# Altium PCB waffling80-NMB.PcbDoc (part 3 of 3) (continued)
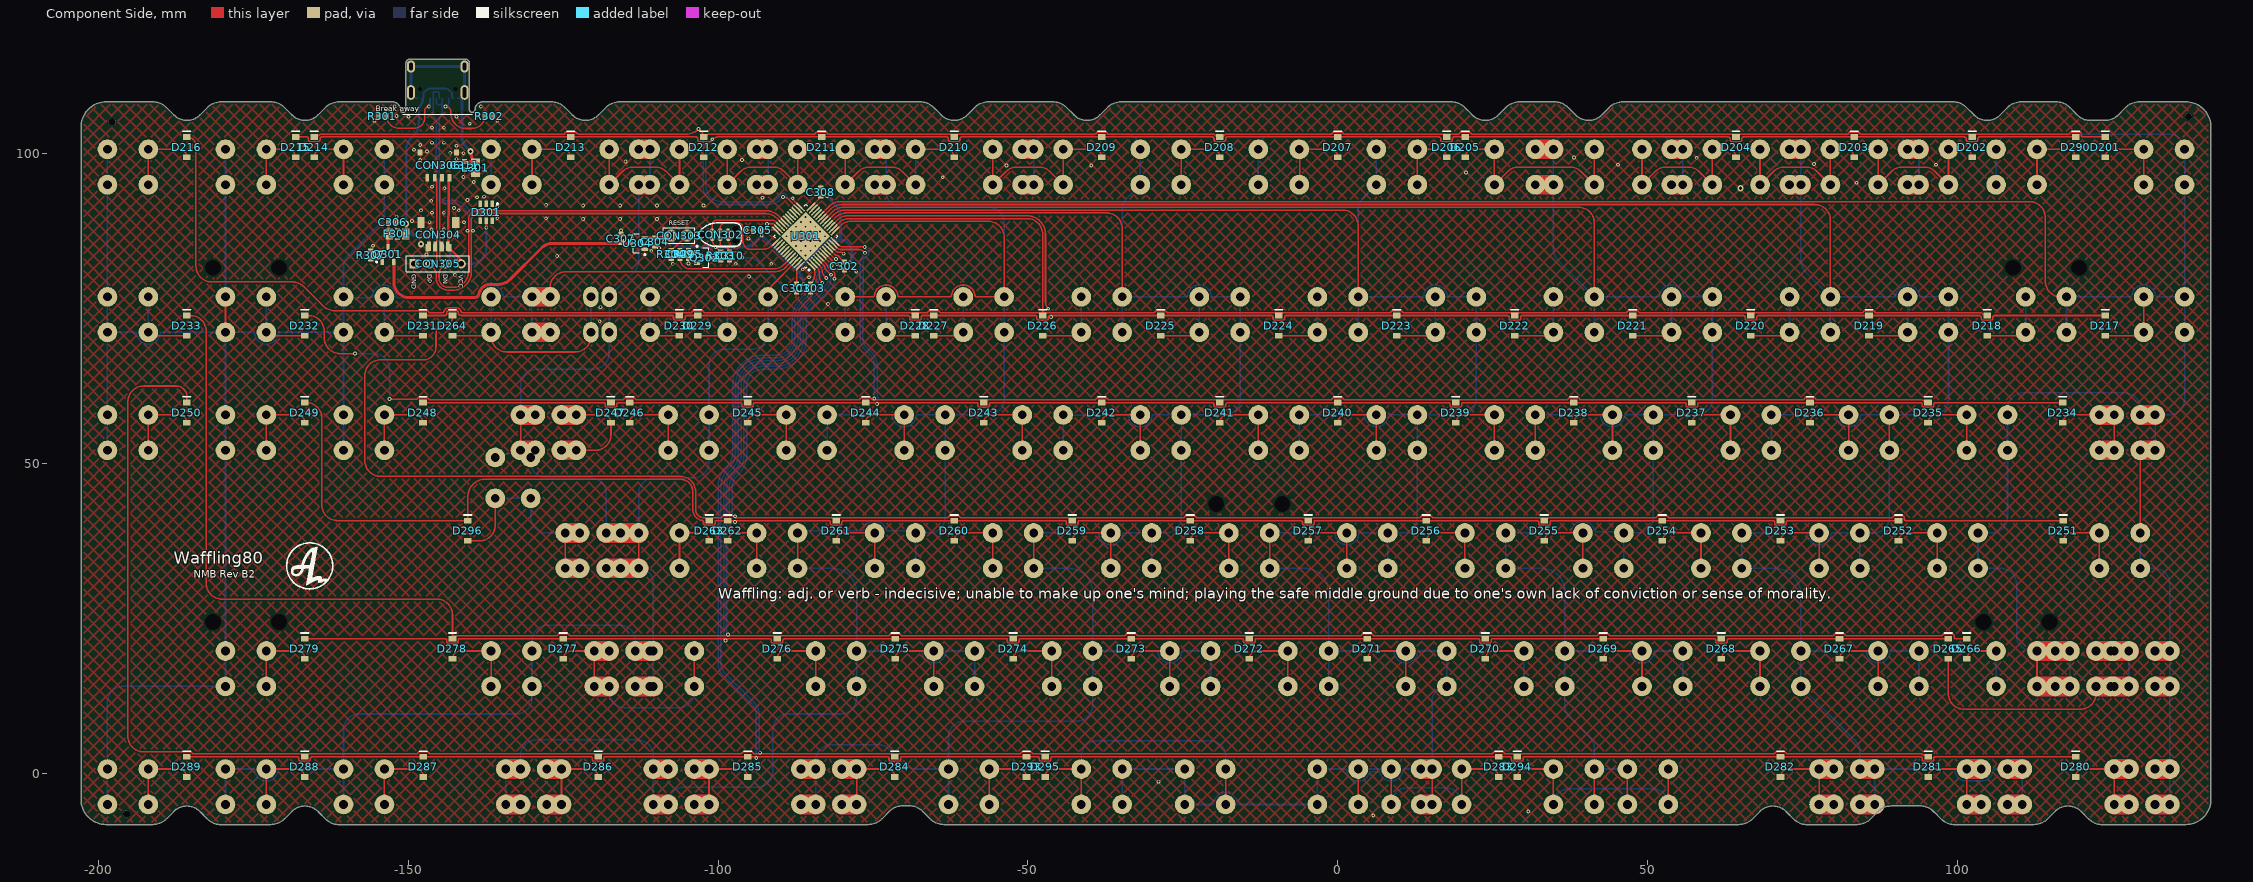
[diagram p0: Component Side view]
## Nets (pads, with @x,y where several pads share a name; then routed paths per layer and width w, separated by ;. In a path a pad name is that pad's centre, name@x,y a point inside that pad or via, vN(x,y) a via of type N, cw(c..) or ccw(c..) an arc to the next point about the centre after c; other vN are vias at no path point) (continued)
  Bottom Layer w0.254: v1(-97.297,41.443) cw(c-97.297,42.343) -97.566,41.484 cw(c-97.489,41.726) -97.743,41.725 -97.743,46.112 cw(c-95.203,46.112) -96.999,47.908 cw(c-95.203,46.112) -96.99,47.917 -96.843,48.064 -96.808,48.099 ccw(c-100.203,51.506) -96.803,48.104 ccw(c-100.203,51.506) -96.8,48.107 ccw(c-100.203,51.506) -96.104,48.989 cw(c-95.887,48.857) -96.096,49.001 ccw(c-99.295,51.236) -95.393,51.179 ccw(c-97.933,51.225) -95.393,51.225 -95.393,62.627 cw(c-92.853,62.627) -92.853,65.167 -90.624,65.167 ccw(c-90.624,69.977) -85.814,69.977 -85.814,73.154 cw(c-83.274,73.154) -85.07,74.95 cw(c-83.274,73.154) -85.068,74.952 -81.577,78.443 ccw(c-82.405,79.271) -81.234,79.271 v1(-81.234,79.756)
PF1: D280.2 D282.2 D283.2 D285.2 D287.2 D289.2 D293.2 U301.6 | length 405.4
  Component Side w0.254: D289.2@-185.795,2.635 -167.936,2.635 cw(c-167.936,2.381) -167.682,2.381 -167.682,2.18 ccw(c-167.355,2.18) -167.355,1.853 -166.135,1.853 ccw(c-166.135,2.18) -165.808,2.18 -165.808,2.324 cw(c-165.554,2.324) -165.734,2.503 -165.676,2.561 cw(c-165.497,2.381) -165.497,2.635 D287.2@-147.568,2.635 -120.565,2.635 cw(c-120.565,2.381) -120.311,2.381 -120.311,2.18 ccw(c-119.984,2.18) -119.984,1.853 -118.764,1.853 ccw(c-118.764,2.18) -118.437,2.18 -118.437,2.381 cw(c-118.183,2.381) -118.183,2.635 D285.2@-95.244,2.635 -72.686,2.635 cw(c-72.686,2.381) -72.432,2.381 -72.432,2.18 ccw(c-72.105,2.18) -72.105,1.853 -70.885,1.853 ccw(c-70.885,2.18) -70.565,2.114 ccw(c-70.885,2.18) -70.558,2.18 -70.558,2.381 cw(c-70.304,2.381) -70.304,2.635 D293.2@-50.24,2.635 -48.431,2.635 cw(c-48.431,2.381) -48.177,2.381 -48.177,2.18 ccw(c-47.85,2.18) -47.85,1.853 -46.63,1.853 ccw(c-46.63,2.18) -46.305,2.153 ccw(c-46.63,2.18) -46.303,2.18 -46.303,2.381 cw(c-46.049,2.381) -46.049,2.635 D283.2@25.956,2.635 27.765,2.635 cw(c27.765,2.381) 28.019,2.381 28.019,2.18 ccw(c28.346,2.18) 28.346,1.853 29.566,1.853 ccw(c29.566,2.18) 29.893,2.18 29.893,2.381 cw(c30.147,2.381) 30.147,2.635 D282.2@71.437,2.635 94.059,2.635 cw(c94.059,2.381) 94.313,2.381 94.313,2.18 ccw(c94.64,2.18) 94.64,1.853 95.86,1.853 ccw(c95.86,2.18) 96.187,2.18 96.187,2.381 cw(c96.441,2.381) 96.441,2.635 D280.2@119.062,2.635 ; U301.6@-83.067,83.446 v1@-81.754,82.134
  Bottom Layer w0.254: v1(-93.853,2.414) -93.853,9.362 ccw(c-96.393,9.362) -94.597,11.158 -94.869,11.43 -97.277,13.838 -99.269,15.83 cw(c-97.473,17.626) -100.013,17.626 -100.013,46.112 cw(c-95.203,46.112) -98.601,49.516 -98.407,49.71 ccw(c-100.203,51.506) -98.405,49.712 ccw(c-100.203,51.506) -97.663,51.506 -97.663,62.627 cw(c-92.853,62.627) -94.941,66.96 cw(c-92.853,62.627) -94.257,67.228 cw(c-92.853,62.627) -93.363,67.41 ccw(c-93.391,67.662) -93.361,67.41 cw(c-92.936,64.062) -92.936,67.437 -90.624,67.437 ccw(c-90.624,69.977) -88.084,69.977 -88.084,73.289 cw(c-85.544,73.289) -88.059,73.644 ccw(c-88.311,73.679) -88.058,73.651 cw(c-83.274,73.154) -86.671,76.559 -84.968,78.262 -84.392,78.838 ccw(c-84.672,79.121) -84.274,79.121 -84.274,79.297 cw(c-82.422,79.297) -84.262,79.511 cw(c-82.422,79.297) -84.041,80.197 ; -84.262,79.512 cw(c-82.422,79.297) -83.733,80.606 cw(c-82.422,79.297) -83.731,80.607 -83.504,80.834 cw(c-83.182,80.515) -83.483,80.854 cw(c-81.498,78.613) -82.718,81.347 cw(c-81.498,78.613) -82.153,81.534 ccw(c-82.21,81.782) -82.031,81.601 -81.813,81.82 cw(c-81.634,81.64) v1(-81.688,81.888)
RAW: CON301.A4B9 CON301.B4A9 CON304.1 CON305.1 CON306.1 D301.5 F301.2 | length 66.1
  Component Side w0.4: F301.2@-150.415,86.995 -150.368,87.042 v3(-150.368,88.646) ; CON306.1@-143.361,96.05 -143.445,95.65 -143.445,94.361 cw(c-144.145,94.361) -143.445,94.352 -143.561,85.554 CON304.1@-143.661,84.979 -141.92,83.238 cw(c-142.99,82.168) CON305.1@-141.477,82.168 ; D301.5@-137.439,89.112 -137.439,88.036 ccw(c-137.414,88.036) v1(-137.414,88.011)
  Bottom Layer w0.254: -148.336,106.299 -148.336,107.11
  Bottom Layer w0.305: CON301.A4B9@-147.707,108.92 -147.559,109.068 -147.559,109.741 -147.204,110.097 ; -147.203,110.097 cw(c-146.346,109.239) -146.346,110.452 -144.167,110.452 cw(c-144.167,109.239) -143.31,110.097 -142.954,109.741 -142.954,109.068 CON301.B4A9@-142.807,108.92
  Bottom Layer w0.4: -148.336,106.299 -148.336,104.684 cw(c-150.876,104.684) -149.08,102.888 -149.624,102.344 ccw(c-147.828,100.548) -150.368,100.548 v3(-150.368,88.646) ccw(c-148.209,88.646) -148.209,86.487 -146.848,86.487 cw(c-146.848,83.947) -145.052,85.743 CON305.1@-141.477,82.168 -139.954,82.168 ccw(c-139.954,84.708) -137.414,84.708 v1(-137.414,88.011) ; -148.336,107.11 cw(c-147.535,107.11) -148.102,107.676 -148.082,107.696 ccw(c-148.988,108.602) -147.707,108.602 CON301.A4B9@-147.707,108.92
SHIELD: C311.2 CON301.A1B12 CON301.B1A12 CON301.S1 L301.2 | length 34.1
  Component Side w0.5: CON301.S1@-141.351,109.421 cw(c-140.937,109.421) CON301.S1@-140.937,109.835 ; C311.2@-140.926,98.694 -139.46,98.694 cw(c-139.46,98.315) L301.2@-139.192,98.583 -139.257,98.648 cw(c-137.576,100.33) v3(-139.954,100.33)
  Bottom Layer w0.254: CON301.S1@-149.577,109.835 ccw(c-148.662,109.835) -148.662,108.92 CON301.A1B12@-148.507,108.92 ; CON301.B1A12@-142.007,108.92 -141.852,108.92 ccw(c-141.852,109.835) CON301.S1@-140.937,109.835 ; -141.351,106.299 -141.351,107.061
  Bottom Layer w0.5: CON301.S1@-149.577,109.835 CON301.S1@-149.577,114.015 CON301.S1@-140.937,114.015 CON301.S1@-140.937,109.835 ; -141.351,106.299 -141.351,102.779 ccw(c-138.811,102.779) -140.607,100.983 v3(-139.954,100.33) ; -141.351,107.061 CON301.S1@-141.351,109.421
SWCLK: CON302.4 U301.37 | length 13.5
  Component Side w0.254: CON302.4@-99.695,87.503 -99.695,87.898 cw(c-98.814,87.898) -98.814,88.779 -96.808,88.779 cw(c-96.808,87.983) -96.047,88.217 cw(c-96.808,87.983) -96.012,87.983 -96.012,85.801 ccw(c-94.721,85.801) -94.721,84.51 -92.92,84.51 ccw(c-92.92,87.05) -91.124,85.254 U301.37@-90.81,85.568
SWDIO: CON302.2 U301.34 | length 12.6
  Component Side w0.254: CON302.2@-100.965,87.503 -100.965,88.423 cw(c-100.155,88.423) -100.155,89.233 -91.353,89.233 cw(c-91.353,88.321) -90.708,88.966 U301.34@-90.103,88.361
VCC: C307.2 Q301.2 U304.3 | length 46.4
  Component Side w0.5: Q301.2@-152.339,82.493 -152.339,79.248 ccw(c-149.799,79.248) -149.799,76.708 -139.494,76.708 ccw(c-139.494,78.187) -138.979,76.8 ccw(c-139.155,77.269) -138.662,77.184 cw(c-136.651,76.84) -138.085,78.291 -137.993,78.382 cw(c-137.641,78.028) -137.925,78.439 -137.813,78.517 cw(c-136.651,76.84) -136.963,78.856 cw(c-136.651,76.84) -136.37,78.86 ccw(c-136.302,79.356) -136.304,78.856 -135.429,78.856 ccw(c-135.429,81.396) -133.633,79.6 -128.506,84.727 cw(c-126.71,82.931) -126.71,85.471 U304.3@-114.241,85.471
VCC3V3: C301.2 C302.2 C303.2 C304.2 C305.2 C308.2 CON302.1 CON303.2 R303.1 U301.1 U301.9 U301.24 U301.36 U301.48 U304.2 | length 74.5
  Component Side w0.254: CON302.1@-100.965,86.233 ccw(c-99.101,86.233) -100.961,86.111 ccw(c-99.101,86.233) -100.419,84.915 v1(-100.408,84.905) -99.593,84.089 R303.1@-99.568,84.089 ; v1(-92.964,86.741) -92.964,87.57 ccw(c-93,87.57) C305.2@-93,87.606 cw(c-92.952,87.606) -92.952,87.654 U301.36@-90.81,87.654 ; U301.48@-86.921,81.679 -87.328,81.272 -87.328,78.93 C301.2@-87.376,78.882 v1(-86.233,78.882) C303.2@-85.09,78.882 ccw(c-86.687,80.479) C303.2@-85.09,78.882 ccw(c-86.687,80.479) -84.428,80.479 -84.428,81.272 U301.1@-84.835,81.679 ; U301.24@-84.835,91.543 -83.737,92.641 -83.737,92.803 -83.639,92.901 cw(c-83.449,92.901) -83.449,93.091 v1(-82.423,93.091) ; U301.9@-82.007,84.507 -81.294,83.795 -81.148,83.648 ; -81.147,83.648 ccw(c-80.969,83.828) -80.973,83.574 cw(c-80.975,82.947) -80.424,83.247 ccw(c-80.201,83.369) -80.381,83.19 -79.927,82.736 -79.918,82.727 -79.918,82.711 C302.2@-79.629,82.438 -79.629,82.423 v1(-78.74,82.423)
  Component Side w0.5: U304.2@-111.841,86.421 -108.16,86.421 -107.84,86.741 CON303.2@-107.569,86.741
  Bottom Layer w0.5: CON303.2@-107.569,86.741 ccw(c-105.733,86.741) -105.733,84.905 v1(-100.408,84.905) -95.846,84.905 ccw(c-95.846,87.429) -94.061,85.644 ; -94.061,85.644 v1(-92.964,86.741) -87.328,81.105 ; -86.846,81.851 ccw(c-86.36,81.28) -86.923,81.775 ; v1(-86.233,78.882) -86.233,78.958 ccw(c-88.773,78.958) -86.977,80.754 -87.328,81.105 ; v1(-82.423,93.091) -81.004,91.672 cw(c-82.8,89.876) -80.26,89.876 -80.26,85.983 ; v1(-78.74,82.423) ccw(c-79.439,83.122) -78.45,83.122 -78.45,84.173 ccw(c-80.26,84.173) -80.26,85.983 ; -87.328,81.105 cw(c-86.688,81.105) -87.14,81.557 -86.942,81.755 ccw(c-87.297,82.107) -86.923,81.775 ; -86.923,81.775 cw(c-86.36,81.28) -86.528,82.011 cw(c-86.36,81.28) -86.491,82.018 ccw(c-86.581,82.51) -86.229,82.155 -85.726,82.659 -85.407,82.916 ccw(c-85.878,83.499) -85.348,82.969 -85.196,83.121 -82.884,85.433 cw(c-81.556,84.105) -81.556,85.983 -80.26,85.983
pads on no net: CON301. CON301.A8 CON301.B8 CON302.0 CON302.6 D301.1 D301.6 S201. S202. S202_1. S203. S203_1. S204. S204_1. S205. S205_1. S206. S207. S208. S209. S209_1. S210. S210_1. S211. S211_1. S212. S212_1. S213. S214. S215. S216. S217. S218. S219. S220. S221. S222. S223. S224. S225. S226. S227. S228. S229. S230. S231. S232. S233. S234. S234_1. S235. S236. S237. S238. S239. S240. S241. S242. S243. S244. S245. S246. S247. S247_1. S248. S249. S250. S251. S252. S253. S254. S255. S256. S257. S258. S259. S260. S261. S262. S263. S264. S264_1. S265. S265_1. S265_2. S265_3. S266. S267. S268. S269. S270. S271. S272. S273. S274. S275. S276. S277. S277_1. S277_2. S278. S279. S280. S280_1. S281. S281_1. S282. S282_1. S283. S283_1. S283_2. S284. S284_1. S285. S285_1. S286. S286_1. S287. S288. S289. S290. S293. S294. S294_2. S295. S295_2. S296. S296_1. S296_2.

## Polygon pours and split planes (outlines as drawn)
GND on Bottom Layer "Bottom Layer-No Net" (hatched 45Degree grid 1.397 track 0.203, remove dead copper, pour order 0): -202.964,-4.975 ccw(c-198.964,-4.975) -198.964,-8.975 -72.275,-8.975 -72.275,-8.969 -32.406,-8.975 86.078,-8.975 137.036,-8.975 137.036,-8.974 ccw(c137.037,-4.975) 141.036,-4.974 141.036,104.42 ccw(c137.036,104.508) 136.947,108.509 124.647,108.51 37.261,108.509 37.261,108.51 -198.964,108.51 -198.964,108.509 ccw(c-198.964,104.51) -202.964,104.509
GND on Component Side "Component Side-No Net" (hatched 45Degree grid 1.397 track 0.203, remove dead copper, pour order 1): -202.964,-4.975 ccw(c-198.964,-4.975) -198.964,-8.975 -72.275,-8.975 -72.275,-8.969 -32.406,-8.975 86.078,-8.975 137.036,-8.975 137.036,-8.974 ccw(c137.037,-4.975) 141.036,-4.974 141.036,104.42 ccw(c137.036,104.508) 136.947,108.509 124.647,108.51 37.261,108.509 37.261,108.51 -198.964,108.51 -198.964,108.509 ccw(c-198.964,104.51) -202.964,104.509

## Other copper
Component Side:
  pour cut-out: -150.795,106.598 ccw(c-150.795,107.056) -150.337,107.056 -150.337,114.552 cw(c-149.727,114.552) -149.727,115.162 -140.787,115.162 cw(c-140.787,114.568) -140.193,114.568 -140.193,107.072 ccw(c-139.724,107.072) -139.724,106.603 -139.729,106.598
Bottom Layer:
  pour cut-out: -150.795,106.598 ccw(c-150.795,107.056) -150.337,107.056 -150.337,114.552 cw(c-149.727,114.552) -149.727,115.162 -140.787,115.162 cw(c-140.787,114.568) -140.193,114.568 -140.193,107.072 ccw(c-139.724,107.072) -139.724,106.603 -139.729,106.598

## Silkscreen, mask and mechanical layers (free items; w line width, h text height)
Top Overlay:
  drawing of 3 lines, arcs and shapes, not listed
  text "Break away" at -155.288,106.807 h0.9
  text "RESET" at -107.95,88.392 h0.75
  text "GND" at -149.478,80.517 h0.75 r270
  text "DP" at -146.938,80.517 h0.75 r270
  text "DN" at -144.398,80.517 h0.75 r270
  text "VCC" at -141.858,80.39 h0.75 r270
  text "Waffling80" at -187.858,33.162 h3.3
  text "NMB Rev B2" at -184.658,31.115 h2
  text "Waffling: adj. or verb - indecisive; unable to make up one's mind; playing the safe middle ground due to one's own lack of conviction or sense of morality." at -100.013,27.577 h2.9
Bottom Overlay:
  circle w0.4: c78.073,7.747 r0.75
  circle w0.4: c97.123,7.747 r0.75
  circle w0.4: c-81.082,-2.173 r0.75
  circle w0.4: c-104.895,-2.173 r0.75
  circle w0.4: c-128.707,-2.173 r0.75
  circle w0.4: c-0.12,-2.173 r0.75
  circle w0.4: c80.843,-2.173 r0.75
  circle w0.4: c104.655,-2.173 r0.75
  circle w0.4: c128.467,-2.173 r0.75
  lines w0.2: -97.499,5.517 -71.337,5.517 ; -91.612,8.255 -89.244,8.255 ; -79.774,8.255 -77.406,8.255 ; 73.248,5.009 101.248,5.009 ; 80.6,7.747 82.968,7.747 ; 92.438,7.747 94.806,7.747 ; -92.319,8.255 -91.612,7.548 -91.612,8.962 -92.319,8.255 ; -77.406,7.548 -77.406,8.962 -76.699,8.255 -77.406,7.548 ; 79.893,7.747 80.6,8.454 80.6,7.04 79.893,7.747 ; 94.806,7.04 95.513,7.747 94.806,8.454 94.806,7.04
  text "< F12" at -113.82,92.704 h1.52 r90
  text "< F13" at -109.135,92.704 h1.52 r90
  text "< F12" at -94.77,92.704 h1.52 r90
  text "< F13" at -90.085,92.704 h1.52 r90
  text "< F12" at -75.72,92.704 h1.52 r90
  text "< F13" at -71.035,92.704 h1.52 r90
  text "< F13" at -51.925,92.705 h1.52 r90
  text "< F12" at -47.206,92.705 h1.52 r90
  text "< F12" at 38.519,92.704 h1.52 r90
  text "< F13" at 52.85,92.705 h1.52 r90
  text "< F12" at 57.569,92.705 h1.52 r90
  text "< F13" at 71.9,92.705 h1.52 r90
  text "< F12" at 76.619,92.705 h1.52 r90
  text "< F13" at 90.95,92.705 h1.52 r90
  text "< F12" at 95.669,92.705 h1.52 r90
  text "< F13" at 110,92.705 h1.52 r90
  text "< F13" at 29.037,92.614 h1.52 r90
  text "x" at -94.94,7.568 h1.75
  text "x" at -75.382,7.568 h1.75
  text "X shows 6.25U space with 1.25U mods" at -71.845,6.021 h0.75
  text "Circles shows Tsangan layout, 7U space" at 101.002,5.513 h0.75
  text "x" at -131.419,-2.789 h1.75
  text "x" at -107.606,-2.789 h1.75
  text "x" at -83.794,-2.789 h1.75
  text "x" at -59.982,-2.789 h1.75
  text "x" at 11.456,-2.789 h1.75
  text "x" at 82.894,-2.789 h1.75
  text "x" at 106.706,-2.789 h1.75
  text "x" at 130.518,-2.789 h1.75
outline:
  lines w0.1: -198.825,-8.271 -191.634,-8.271 ; -198.762,-8.271 cw(c-198.762,-4.271) -202.762,-4.271 -202.762,104.261 cw(c-198.763,104.261) -198.763,108.261 -191.239,108.261 cw(c-191.239,105.195) -189.071,107.363 -188.001,106.293 ccw(c-185.737,108.261) -183.599,106.156 -182.392,107.363 cw(c-180.224,105.195) -180.224,108.261 -172.189,108.261 cw(c-172.189,105.195) -170.021,107.363 -168.951,106.293 ccw(c-166.687,108.261) -164.549,106.156 -163.342,107.363 cw(c-161.174,105.195) -161.174,108.261 -152.542,108.261 cw(c-152.542,107.056) -151.336,107.056 ccw(c-150.836,107.056) -150.336,107.056 -150.336,114.551 cw(c-149.726,114.551) -149.726,115.161 -140.786,115.161 cw(c-140.786,114.568) -140.193,114.568 -140.193,107.055 ccw(c-139.693,107.055) -139.193,107.055 cw(c-137.987,107.055) -137.987,108.261 -126.93,108.261 cw(c-126.93,105.195) -124.762,107.363 -123.692,106.293 ccw(c-121.428,108.261) -119.29,106.156 -118.083,107.363 cw(c-115.915,105.195) -115.915,108.261 -67.415,108.261 cw(c-67.415,105.195) -65.247,107.363 -64.177,106.293 ccw(c-61.913,108.261) -59.775,106.156 -58.568,107.363 cw(c-56.4,105.195) -56.4,108.261 -45.984,108.261 ; -194.207,-8.271 -191.25,-8.271 ccw(c-191.25,-5.204) -189.082,-7.372 -187.874,-6.165 cw(c-185.737,-8.27) -183.473,-6.302 -182.403,-7.372 ccw(c-180.235,-5.204) -180.235,-8.271 ; -174.486,-8.271 -180.235,-8.271 ; -48.236,108.261 -45.984,108.261 ; 33.418,108.261 34.979,108.261 ; 47.844,108.261 45.994,108.261 ; 97.357,108.261 99.273,108.261 cw(c99.273,105.195) 101.441,107.363 102.511,106.293 ccw(c104.775,108.261) 106.913,106.156 108.12,107.363 cw(c110.288,105.195) 110.288,108.261 ; 98.748,108.261 45.994,108.261 ; 111.16,108.261 110.288,108.261 ; 113.093,108.261 115.947,108.261 ; 129.865,108.261 133.35,108.261 ; 136.85,108.261 133.35,108.261 ; 136.85,108.262 cw(c136.85,104.262) 140.85,104.262 140.85,-4.271 cw(c136.851,-4.271) 136.851,-8.271 123.355,-8.271 cw(c123.355,-5.204) 121.187,-7.372 120.117,-6.302 ccw(c117.853,-8.27) 115.715,-6.165 114.508,-7.372 cw(c112.34,-5.204) 112.34,-8.271 99.545,-8.271 cw(c99.545,-5.204) 97.377,-7.372 96.307,-6.302 ccw(c94.043,-8.271) 94.144,-5.272 ccw(c94.14,-5.277) 94.14,-5.27 89.297,-5.27 ccw(c89.297,-8.27) 87.16,-6.165 85.953,-7.372 cw(c83.785,-5.204) 83.785,-8.271 75.735,-8.271 cw(c75.735,-5.204) 73.567,-7.372 72.497,-6.302 ccw(c70.233,-8.27) 68.095,-6.165 66.888,-7.372 cw(c64.72,-5.204) 64.72,-8.271 -63.578,-8.27 cw(c-63.578,-5.204) -65.746,-7.372 -66.833,-6.285 ccw(c-69.097,-8.254) -69.097,-5.254 -70.257,-5.254 ccw(c-70.257,-8.254) -72.394,-6.149 -73.618,-7.372 cw(c-75.786,-5.204) -75.786,-8.271 -161.185,-8.27 cw(c-161.185,-5.204) -163.353,-7.372 -164.423,-6.302 ccw(c-166.687,-8.27) -168.825,-6.165 -170.032,-7.372 cw(c-172.2,-5.204) -172.2,-8.271 -180.235,-8.271 ; -45.984,108.261 cw(c-45.984,105.195) -43.816,107.363 -42.746,106.293 ccw(c-40.482,108.261) -38.344,106.156 -37.137,107.363 cw(c-34.969,105.195) -34.969,108.261 17.21,108.261 18.296,108.261 cw(c18.296,105.195) 20.464,107.363 21.534,106.293 ccw(c23.798,108.261) 25.936,106.156 27.143,107.363 cw(c29.311,105.195) 29.311,108.261 34.979,108.261 ; 34.979,108.261 cw(c34.979,105.195) 37.147,107.363 38.217,106.293 ccw(c40.481,108.261) 42.619,106.156 43.826,107.363 cw(c45.994,105.195) 45.994,108.261 ; 110.288,108.261 115.947,108.261 ; 115.947,108.261 cw(c115.947,105.195) 118.116,107.363 119.146,106.333 ccw(c121.444,108.261) 121.451,105.262 123.825,105.262 ; 123.825,105.261 ccw(c123.825,108.261) 125.921,106.116 127.169,107.363 cw(c129.337,105.195) 129.337,108.261 133.35,108.261 ; 123.825,105.261 ccw(c123.825,105.261) 123.825,105.262
Mechanical 2:
  lines w0.1: -198.826,-8.27 -188.238,-8.27 cw(c-185.737,-8.27) -183.237,-8.27 -169.188,-8.27 cw(c-166.688,-8.27) -164.187,-8.27 -72.758,-8.27 cw(c-70.258,-8.27) -70.258,-5.77 -69.057,-5.77 cw(c-69.057,-8.27) -66.557,-8.27 67.732,-8.27 cw(c70.232,-8.27) 72.732,-8.27 86.797,-8.27 cw(c89.297,-8.27) 89.273,-5.77 94.127,-5.77 ; -198.763,-8.271 cw(c-198.763,-4.271) -202.763,-4.271 -202.763,104.262 cw(c-198.763,104.262) -198.763,108.262 -188.238,108.262 ccw(c-185.737,108.262) -183.237,108.262 -169.188,108.262 ccw(c-166.688,108.262) -164.187,108.262 -152.543,108.262 cw(c-152.543,107.056) -151.337,107.056 ccw(c-150.837,107.056) -150.337,107.056 -150.337,114.552 cw(c-149.727,114.552) -149.727,115.162 -140.787,115.162 cw(c-140.787,114.568) -140.193,114.568 -140.193,107.056 ccw(c-139.693,107.056) -139.193,107.056 cw(c-137.987,107.056) -137.987,108.262 -123.928,108.262 ccw(c-121.428,108.262) -118.928,108.262 -64.414,108.262 ccw(c-61.914,108.262) -59.414,108.262 -42.982,108.262 ccw(c-40.482,108.262) -37.982,108.262 21.297,108.262 ccw(c23.797,108.262) 26.297,108.262 37.981,108.262 ccw(c40.481,108.262) 42.981,108.262 102.274,108.262 ccw(c104.774,108.262) 107.274,108.262 118.944,108.262 ccw(c121.444,108.262) 121.45,105.762 ; -180.94,-8.27 -179.213,-8.27 ; 94.127,-5.771 cw(c94.042,-8.27) 96.542,-8.27 115.352,-8.27 cw(c117.852,-8.27) 120.352,-8.27 136.85,-8.27 ccw(c136.85,-4.27) 140.85,-4.27 140.849,104.262 ccw(c136.85,104.262) 136.85,108.262 133.349,108.262 126.324,108.262 cw(c123.824,108.262) 123.824,105.762 121.444,105.762
Mechanical 3:
  drawing of 5676 lines, arcs and shapes, not listed
Mechanical 4:
  lines w0.1: -202.964,-3.922 -202.964,103.458 ; -202.963,-3.922 ccw(c-197.912,-3.922) -197.912,-8.973 -171.993,-8.975 ccw(c-171.993,-5.908) -169.825,-8.076 -168.871,-7.123 cw(c-166.703,-9.291) -166.703,-6.225 cw(c-166.703,-9.291) -164.535,-7.123 -163.581,-8.076 ccw(c-161.413,-5.908) -161.413,-8.975 -74.362,-8.975 ; -202.963,103.458 cw(c-197.912,103.458) -197.912,108.509 ; -197.912,108.509 -191.027,108.509 cw(c-191.027,105.443) -188.859,107.611 -187.906,106.658 ccw(c-185.737,108.826) -185.737,105.76 ccw(c-185.737,108.826) -183.569,106.658 -182.616,107.611 cw(c-180.448,105.443) -180.448,108.51 -155.296,108.51 ; -155.322,108.51 -154.152,108.51 ; -154.503,108.51 -152.79,108.51 cw(c-152.79,107.056) -151.337,107.056 ccw(c-150.837,107.056) -150.337,107.056 -150.337,108.789 -150.337,114.373 -150.337,114.552 cw(c-149.727,114.552) -149.727,115.162 ; -149.731,115.162 -140.787,115.162 cw(c-140.787,114.568) -140.193,114.568 -140.193,114.394 -140.193,107.056 ccw(c-139.693,107.056) -139.193,107.056 cw(c-137.74,107.056) -137.74,108.509 -126.731,108.51 ; -126.734,108.51 cw(c-126.734,105.443) -124.566,107.611 -123.613,106.658 ccw(c-121.444,108.826) -121.444,105.76 ccw(c-121.444,108.826) -119.276,106.658 -118.323,107.611 cw(c-116.155,105.443) -116.155,108.51 ; -116.158,108.51 -45.77,108.51 ; -74.362,-8.97 ccw(c-74.362,-5.903) -72.194,-8.071 -71.24,-7.118 cw(c-69.072,-9.286) -69.072,-6.22 cw(c-69.072,-9.286) -66.904,-7.118 -65.95,-8.071 ccw(c-63.782,-5.903) -63.782,-8.97 -32.418,-8.97 ; -45.773,108.51 cw(c-45.773,105.443) -43.605,107.611 -42.652,106.658 ccw(c-40.484,108.826) -40.484,105.76 ccw(c-40.484,108.826) -38.315,106.658 -37.362,107.611 cw(c-35.194,105.443) -35.194,108.51 ; -35.197,108.509 35.194,108.51 ; 35.191,108.51 cw(c35.191,105.443) 37.359,107.611 38.312,106.658 ccw(c40.481,108.826) 40.481,105.76 ccw(c40.481,108.826) 42.649,106.658 43.602,107.611 cw(c45.771,105.443) 45.771,108.51 ; 45.767,108.51 116.157,108.51 ; 83.991,-8.975 ccw(c83.991,-5.908) 86.159,-8.076 87.113,-7.123 cw(c89.281,-9.291) 89.281,-6.225 cw(c89.281,-9.291) 91.449,-7.123 92.403,-8.076 ccw(c94.571,-5.908) 94.571,-8.975 ; 83.998,-8.975 66.907,-8.975 -32.406,-8.975 ; 94.564,-8.975 135.984,-8.975 ccw(c135.984,-3.923) 141.035,-3.923 ; 116.153,108.51 cw(c116.153,105.443) 118.322,107.611 119.275,106.658 ccw(c121.443,108.826) 121.443,105.76 ccw(c121.443,108.826) 123.612,106.658 124.565,107.611 cw(c126.733,105.443) 126.733,108.51 ; 126.701,108.509 135.985,108.509 ; 135.985,108.507 cw(c135.985,103.456) 141.036,103.456 141.036,103.367 141.036,-3.923 ; -32.418,-8.97 cw(c-32.418,-8.987) -32.406,-8.975 ; -32.418,-8.97 cw(c-32.418,-8.987) -32.406,-8.975
Mechanical 5:
  drawing of 4464 lines, arcs and shapes, not listed
Athena:
  drawing of 2374 lines, arcs and shapes, not listed
Jane:
  lines w0.1: -188.038,108.312 ccw(c-185.737,108.312) -183.437,108.312 ; -185.737,108.312 -185.737,109.537 ; -168.988,-8.27 cw(c-166.688,-8.27) -164.387,-8.27 ; -166.688,-9.496 -166.688,-8.27 ; -123.744,108.312 ccw(c-121.444,108.312) -119.144,108.312 ; -121.444,108.312 -121.444,109.537 ; -71.357,-8.27 cw(c-69.057,-8.27) -66.757,-8.27 ; -69.057,-9.496 -69.057,-8.27 ; -42.783,108.312 ccw(c-40.482,108.312) -38.182,108.312 ; -40.482,108.312 -40.482,109.537 ; 38.181,108.312 ccw(c40.481,108.312) 42.781,108.312 ; 40.481,108.312 40.481,109.537 ; 86.997,-8.27 cw(c89.297,-8.27) 91.597,-8.27 ; 89.297,-9.496 89.297,-8.27 ; 119.144,108.312 ccw(c121.444,108.312) 123.744,108.312 ; 121.444,108.312 121.444,109.537 ; -166.688,-8.27 141.049,-8.27 141.049,108.312 -202.962,108.312 -202.962,-8.27 -166.688,-8.27
Geon:
  lines w0.1: -188.038,-8.27 cw(c-185.737,-8.27) -183.437,-8.27 ; -188.038,108.312 ccw(c-185.737,108.312) -183.437,108.312 ; -185.737,-9.496 -185.737,-8.27 ; -185.737,106.012 ccw(c-185.737,108.289) -184.127,106.679 ; -185.737,108.312 -185.737,109.537 ; -168.988,-8.27 cw(c-166.688,-8.27) -164.387,-8.27 ; -168.988,108.312 ccw(c-166.688,108.312) -164.387,108.312 ; -166.698,-8.27 -70.258,-8.27 ; -166.693,-8.27 -185.743,-8.27 -195.262,-8.27 -202.962,-8.27 -202.962,108.312 -195.262,108.312 -185.743,108.312 -166.693,108.312 -61.923,108.312 23.797,108.312 ; -166.688,-9.496 -166.688,-8.27 ; -166.688,108.312 -166.688,109.537 ; -123.826,108.312 -121.444,108.312 ; -72.558,-8.27 cw(c-70.258,-8.27) -67.958,-8.27 ; -70.258,-9.496 -70.258,-8.27 ; -64.214,108.312 ccw(c-61.914,108.312) -59.614,108.312 ; -61.914,108.312 -61.914,109.537 ; -42.864,108.312 -40.482,108.312 ; 21.497,108.312 ccw(c23.797,108.312) 26.097,108.312 ; 23.797,109.537 23.797,108.312 ; 38.099,108.312 40.481,108.312 ; 67.932,-8.27 cw(c70.232,-8.27) 72.532,-8.27 ; 70.232,-9.496 70.232,-8.27 ; 88.106,-8.27 89.297,-8.27 ; 90.488,-8.27 92.869,-8.27 ; 91.742,-8.27 cw(c94.042,-8.27) 96.342,-8.27 ; 94.042,-9.496 94.042,-8.27 ; 102.474,108.312 ccw(c104.774,108.312) 107.075,108.312 ; 104.774,108.312 104.774,109.537 ; 115.552,-8.27 cw(c117.852,-8.27) 120.153,-8.27 ; 117.852,-9.496 117.852,-8.27 ; 119.062,108.312 121.444,108.312 ; 121.524,108.312 ccw(c123.824,108.312) 126.125,108.312 ; 123.824,108.312 123.824,109.537 ; -70.258,-8.27 70.232,-8.27 ; 23.797,108.312 104.757,108.312 123.807,108.312 141.049,108.312 141.049,-8.27 117.852,-8.27 ; 70.232,-8.27 94.042,-8.27 ; 94.042,-8.27 117.852,-8.27
Mechanical 16:
  circle w0.013: c57.213,8.255 r1.994
  circle w0.013: c61.976,8.255 r1.994
  circle w0.013: c61.976,-6.985 r1.524
  circle w0.013: c57.213,-6.985 r1.524
  circle w0.013: c-38.1,-6.985 r1.524
  circle w0.013: c-38.1,8.255 r1.994
  circle w0.013: c5.112,0 r0.851
  circle w0.013: c6.858,0 r0.851
  circle w0.013: c3.842,2.54 r0.749
  circle w0.013: c15.748,2.54 r0.749
  circle w0.013: c17.018,0 r0.851
  circle w0.013: c11.938,0 r1.994
  circle w0.013: c9.398,5.08 r0.749
  circle w0.013: c-2.508,5.08 r0.749
  circle w0.013: c0.032,0 r1.994
  circle w0.013: c-5.048,0 r0.851
  circle w0.013: c-57.15,8.255 r1.994
  circle w0.013: c-57.15,-6.985 r1.524
Mechanical 18:
  drawing of 996 lines, arcs and shapes, not listed
Mechanical 19:
  drawing of 1347 lines, arcs and shapes, not listed
Mechanical 20:
  drawing of 2447 lines, arcs and shapes, not listed
Apollo:
  drawing of 3072 lines, arcs and shapes, not listed

## Dimensions
94.042,-9.496 to 117.852,-9.496 on Geon
70.232,-9.496 to 94.042,-9.496 on Geon
-70.258,-9.496 to 70.232,-9.496 on Geon
-166.688,-9.496 to -70.258,-9.496 on Geon
-185.737,-9.496 to -166.688,-9.496 on Geon
104.774,109.537 to 123.824,109.537 on Geon
23.797,109.537 to 104.774,109.537 on Geon
-61.923,108.312 to 23.797,109.537 on Geon
-166.688,109.537 to -61.914,109.537 on Geon
-185.737,109.537 to -166.688,109.537 on Geon
89.297,-9.496 to -69.057,-9.496 on Jane
-166.688,-9.496 to -69.057,-9.496 on Jane
40.481,109.841 to 121.444,109.537 on Jane
-40.482,109.537 to 40.481,109.537 on Jane
-121.444,109.537 to -40.482,109.537 on Jane
-185.737,109.537 to -121.444,109.537 on Jane

## Text inside footprints (layer, text, board x,y; h text height)
CON301: Mechanical 16 "connector edge" at -148.207,116.17 h1 r180